# KiCad board shek-rounded.kicad_pcb (continued)
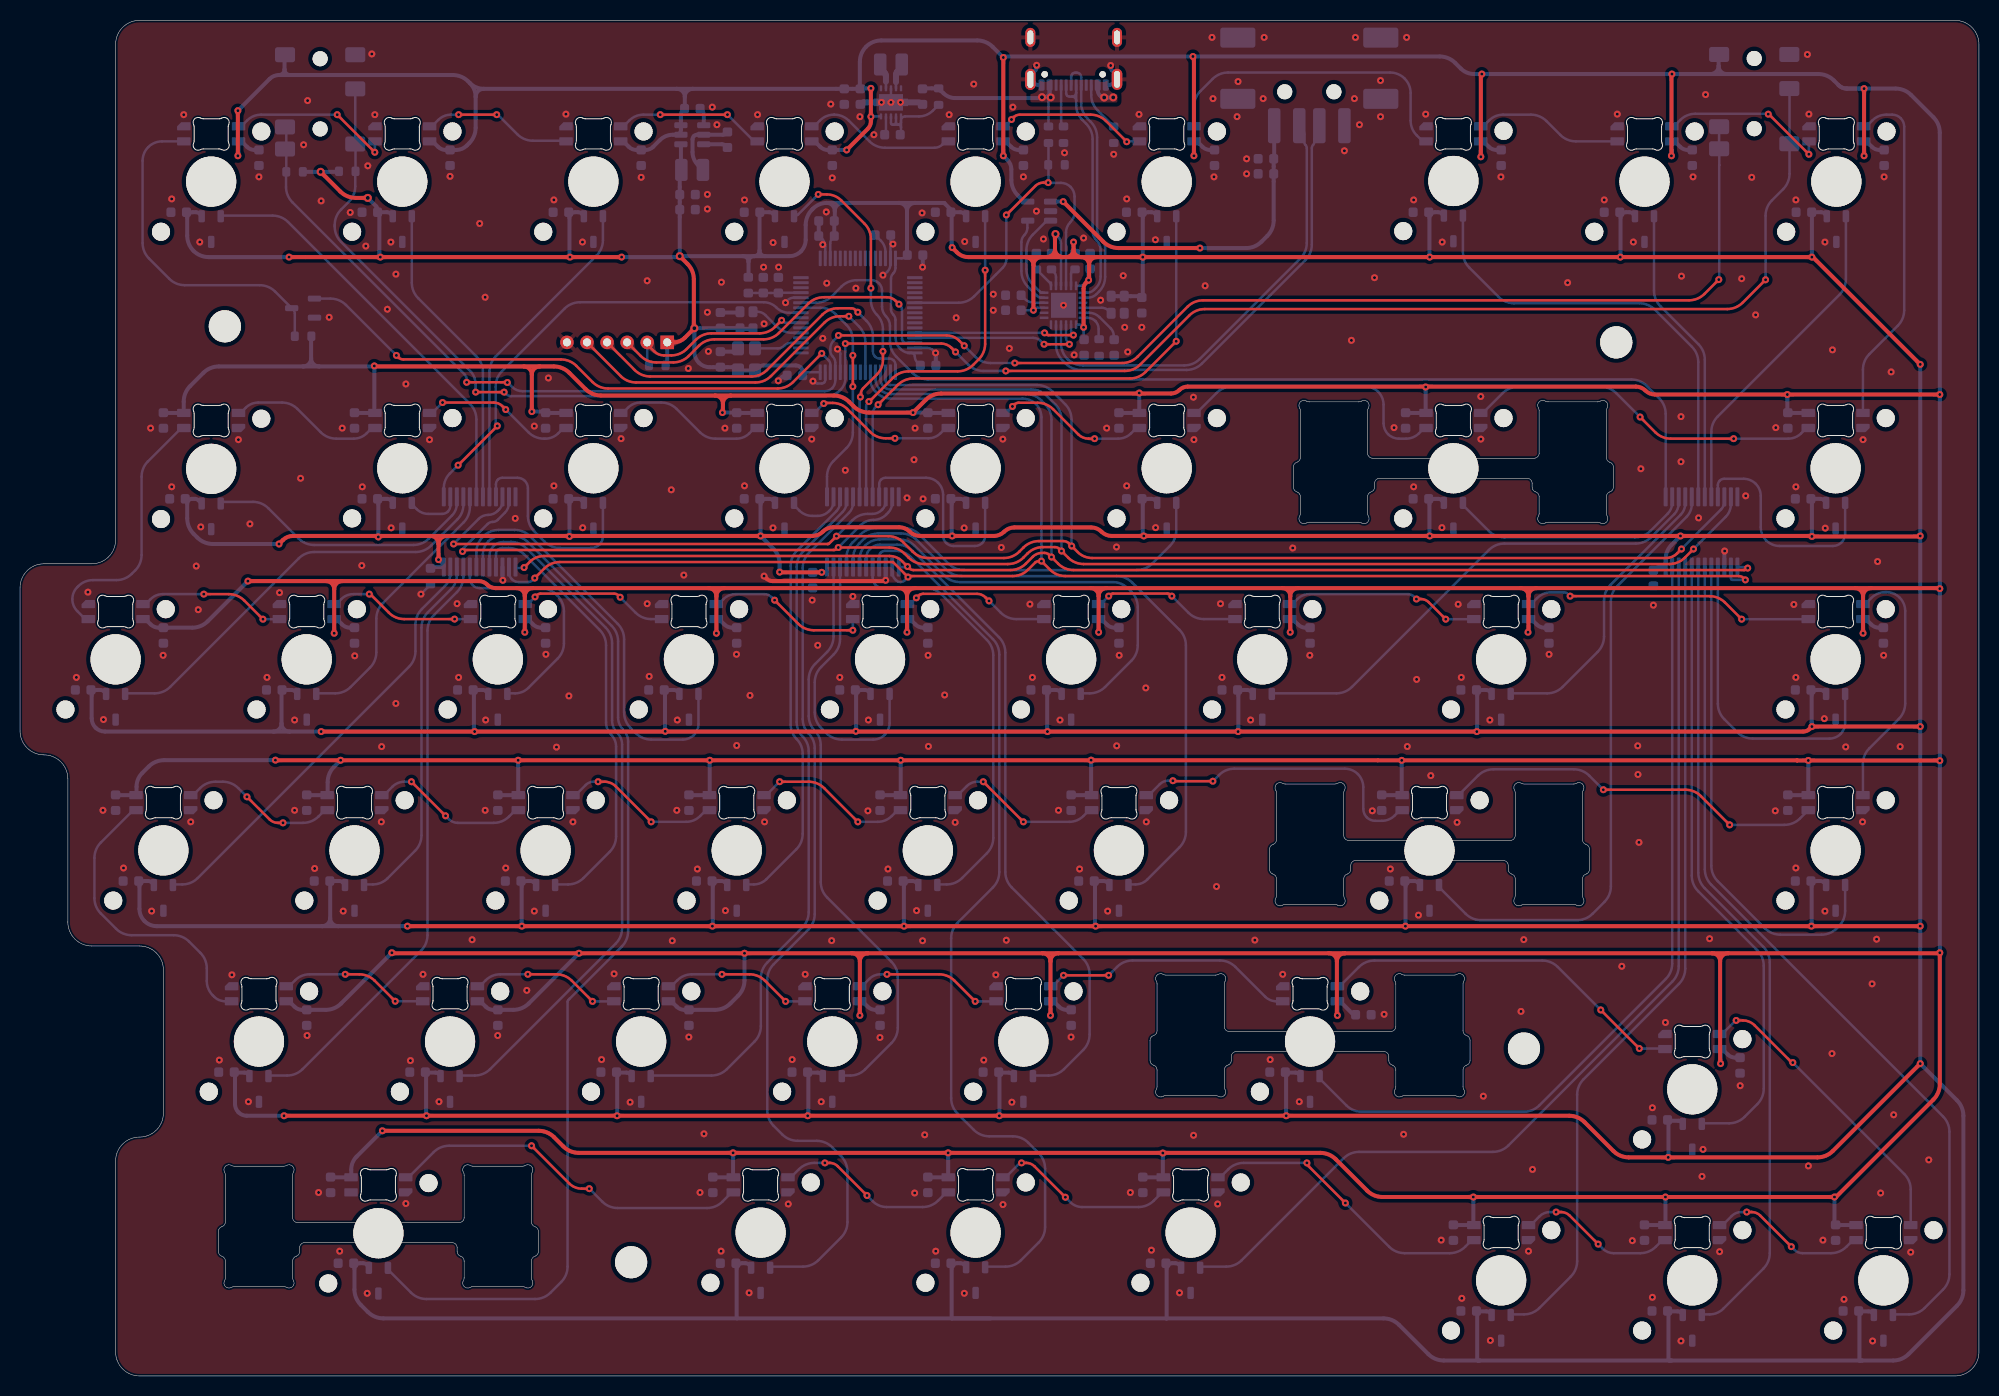
[diagram p0: board, top side]
## Routing (per net, layer and track width the routed paths; a pad name or vN(x,y) marks a point on that pad's centre or on a via; arc(x,y) is an arc through that point) (continued)
/VBUS2: length 35
  Top w0.4: v1(117.61,112.44) 109.51,112.44 arc(108.68,112.6) 107.97,113.08 v1(103.98,117.07)
  Bottom w0.4: v1(103.98,117.07) U2.1 ; v1(117.61,112.44) 122.21,112.44 arc(123.04,112.6) 123.75,113.08 124.32,113.65 arc(124.8,114.36) 124.96,115.19 124.96,121.3 arc(124.97,121.33) 124.99,121.36 arc(125.01,121.39) 125.01,121.42 J2.1
GND: length 58.1
  Top w0.4: v1(74.16,79.74) 74.41,79.49 arc(74.69,79.3) 75.02,79.24 86.15,79.24 arc(86.2,79.25) 86.24,79.28 v1(86.28,79.32)
  Bottom w0.25: U5.18 80.26,112.61 arc(80.18,113.01) 79.96,113.34 79.67,113.63 arc(79.66,113.64) 79.65,113.64 ; C12.2 86.25,123.8 arc(86.3,123.87) 86.31,123.96 U3.9 ; v1(86.01,109.74) 86.06,109.74 arc(86.11,109.75) 86.15,109.77 86.44,110.06 arc(86.68,110.42) 86.76,110.85 86.76,113.69 ; U5.63 80.26,99.28 arc(80.24,99.15) 80.16,99.04 arc(80.05,98.96) 79.92,98.94 79.49,98.94 arc(79.33,98.97) 79.19,99.06 79.06,99.19 arc(79.06,99.19) 79.06,99.19 arc(79.06,99.19) 79.06,99.19 v1(79.04,99.17) ; U3.3 86.81,127.54 ; C29.2 40.91,78.93 arc(40.91,78.89) 40.89,78.86 v1(39.96,77.94) ; v1(91.26,101.99) 91.01,102.24 arc(90.74,102.42) 90.41,102.49 U5.47 ; v1(76.3,107) 76.3,107.01 arc(76.31,107.03) 76.31,107.04 76.53,107.26 arc(76.79,107.43) 77.09,107.49 U5.12 ; v1(81.48,102.37) 81.62,102.23 arc(81.73,102.07) 81.76,101.89 U5.60
  Bottom w0.4: J1.A1_B12 101.55,128.69 arc(101.3,128.74) 101.08,128.88 100.85,129.12 arc(100.74,129.27) 100.71,129.46 arc(100.74,129.64) 100.85,129.8 101.2,130.16 arc(101.3,130.3) 101.34,130.47 v1(101.34,130.66) ; v1(91.26,101.99) 91.27,101.98 arc(91.28,101.96) 91.29,101.94 C20.2 ; v1(89.96,110.54) 89.98,110.55 arc(89.98,110.56) 89.99,110.58 C17.2 ; v1(75.58,99.21) 75.96,99.59 arc(76.13,99.7) 76.33,99.74 76.54,99.74 ; 83.86,126.86 C11.2 ; v1(108.72,130.64) 108.72,130.46 arc(108.75,130.3) 108.84,130.16 109.2,129.8 arc(109.31,129.64) 109.35,129.46 arc(109.31,129.27) 109.2,129.12 108.97,128.88 arc(108.75,128.74) 108.5,128.69 J1.B1_A12 ; U6.15 169.89,82.19 arc(169.89,82.21) 169.9,82.23 v1(169.91,82.24) ; C16.2 67.97,126.16 arc(68.1,125.96) 68.15,125.72 U4.4 ; C24.1 71.63,106.01 arc(71.68,106.02) 71.72,106.05 Y2.2 ; C9.2 89.86,126.86 arc(89.75,126.94) 89.62,126.96 ; U8.15 48.09,79.38 arc(48.09,79.35) 48.11,79.34 v1(48.12,79.32) ; Y3.2 71.4,102.28 arc(71.22,102.15) 71.01,102.11 C26.1 ; 79.65,113.64 79.64,113.64 ; v1(86.28,79.32) 86.28,80.55 arc(86.28,80.56) 86.28,80.56 arc(86.29,80.56) 86.29,80.57 U7.15 ; C18.2 C21.2 ; C25.2 86.77,113.73 arc(86.77,113.71) 86.76,113.69
  Bottom w0.6: 89.62,126.96 v1(87.76,126.96) ; v1(86.81,126.96) 84.1,126.96 arc(83.97,126.94) 83.86,126.86
  vias: v1(5.61,69.64) v1(6.76,78.14) v1(8.26,56.39) v1(8.31,65.44) v1(10.31,50.64) v1(13.01,94.49) v1(13.11,46.34) v1(14.26,71.84) v1(15.11,117.34) v1(15.11,88.64) v1(16.31,125.74) v1(17.01,55.24) v1(17.56,80.74) v1(17.76,76.39) v1(17.91,113.04) v1(18.01,84.64) v1(19.86,31.49) v1(21.11,39.99) v1(21.76,93.34) v1(22.76,27.34) v1(22.91,84.94) v1(23.81,119.54) v1(24.61,69.64) v1(25.86,78.09) v1(27.36,65.39) v1(27.36,56.39) v1(27.96,89.49) v1(28.26,122.74) v1(28.66,127.14) v1(28.61,33.94) v1(29.36,50.59) v1(29.76,18.29) v1(30.01,117.14) v1(30.81,105.54) v1(31.86,12.44) v1(32.11,94.49) v1(32.21,46.34) v1(32.91,115.99) v1(33.36,71.79) v1(34.06,80.79) v1(34.11,88.64) v1(34.46,112.64) v1(34.66,120.64) v1(34.61,8.24) v1(35.06,131.79) v1(35.36,125.74) v1(36.04,62.74) v1(36.01,55.24) v1(36.61,106.34) v1(36.96,113.04) v1(36.99,84.55) v1(37.46,109.84) v1(37.46,67.04) v1(38.46,98.89) v1(38.46,17.19) v1(38.91,31.44) v1(40.16,40.04) v1(40.81,93.34) v1(41.76,27.34) v1(42.86,119.59) v1(43.56,76.99) v1(43.71,69.64) v1(45.06,43.49) v1(45.81,114.89) v1(46.36,107.54) v1(46.36,56.39) v1(46.41,65.39) v1(47.61,33.94) v1(48.41,50.64) v1(49.36,85.49) v1(50.51,38.44) v1(51.26,94.69) v1(51.26,46.34) v1(52.41,71.94) v1(52.66,99.49) v1(53.21,117.24) v1(53.21,88.74) v1(53.47,62.69) v1(54.41,125.79) v1(54.71,67.79) v1(55.11,55.24) v1(56.06,113.04) v1(56.08,84.56) v1(57.96,31.54) v1(59.21,40.09) v1(59.91,93.44) v1(60.81,27.29) v1(61.91,119.49) v1(62.51,109.18) v1(62.51,76.99) v1(62.71,69.74) v1(64.91,88.34) v1(65.01,43.39) v1(65.46,56.39) v1(65.51,65.39) v1(66.16,79.84) v1(66.61,100.44) v1(66.66,33.79) v1(67.51,50.54) v1(67.77,18.29) v1(68.17,24.14) v1(68.51,117.79) v1(68.51,116.34) v1(68.51,106.04) v1(68.61,102.14) v1(69,126.49) v1(69.46,124.74) v1(69.91,109.04) v1(69.88,12.44) v1(70.26,94.49) v1(70.31,46.39) v1(71.41,71.94) v1(71.43,62.85) v1(72.21,117.24) v1(72.21,88.74) v1(72.76,67.84) v1(72.67,8.29) v1(73.51,125.74) v1(74.11,110.54) v1(74.16,104.89) v1(74.21,55.24) v1(75.06,112.99) v1(75.05,84.55) v1(75.61,110.54) v1(76.58,17.14) v1(76.96,31.54) v1(78.26,40.04) v1(78.91,93.39) v1(78.96,77.34) v1(79.51,72.84) v1(79.86,27.34) v1(80.01,112.79) v1(80.01,103.44) v1(80.36,116.04) v1(80.41,108.94) v1(80.81,126.79) v1(80.96,119.44) v1(80.9,43.4) v1(81.71,69.64) v1(82.26,90.29) v1(83.01,77.71) v1(83.31,108.44) v1(83.71,125.54) v1(84.56,65.39) v1(84.51,56.34) v1(85.11,123.74) v1(85.71,33.74) v1(85.86,126.96) v1(86.51,50.54) v1(87.01,112.84) v1(88.41,87.54) v1(89.11,91.34) v1(89.21,94.49) v1(89.17,18.24) v1(89.36,46.39) v1(89.91,115.94) v1(89.96,43.39) v1(90.01,87.44) v1(90.17,24.04) v1(90.51,71.84) v1(90.54,62.76) v1(91.27,12.44) v1(92.16,67.89) v1(92.61,125.74) v1(93.21,55.19) v1(93.31,105.49) v1(94.16,113.09) v1(94.11,84.54) v1(94.12,8.24) v1(95.06,128.79) v1(96.06,31.49) v1(97.01,107.84) v1(97.01,106.24) v1(97.26,39.99) v1(97.81,82.59) v1(97.96,93.39) v1(97.98,17.09) v1(98.31,43.44) v1(98.61,102.44) v1(98.86,27.29) v1(98.96,126.49) v1(100.01,119.54) v1(100.66,76.94) v1(100.91,69.64) v1(101.31,116.12) v1(102.01,113.34) v1(103.51,56.39) v1(103.66,65.39) v1(104.01,106.74) v1(104.11,121.94) v1(104.76,33.79) v1(105.07,101.79) v1(105.61,50.54) v1(106.01,113.44) v1(107.71,107.24) v1(108.31,94.49) v1(108.41,46.34) v1(109.01,121.79) v1(109.29,82.64) v1(109.31,62.82) v1(109.56,71.84) v1(109.96,109.69) v1(110.11,104.54) v1(110.31,117.34) v1(110.31,88.74) v1(110.41,102.09) v1(110.67,18.29) v1(111.54,125.77) v1(111.81,104.54) v1(112.21,68.59) v1(112.26,55.24) v1(112.77,12.54) v1(113.17,113.27) v1(113.19,84.57) v1(115.58,8.29) v1(116.96,97.57) v1(117.01,93.34) v1(116.98,23.99) v1(118.13,108.68) v1(118.81,133.44) v1(118.91,127.34) v1(119.01,119.54) v1(119.26,48.79) v1(119.37,17.14) v1(119.66,76.99) v1(119.81,69.64) v1(121.31,125.54) v1(121.41,129.04) v1(122.26,121.34) v1(122.26,119.84) v1(122.66,65.39) v1(123.08,43.45) v1(123.91,127.34) v1(124.01,133.44) v1(124.61,31.54) v1(125.86,40.04) v1(126.86,82.54) v1(127.51,27.34) v1(128.56,71.84) v1(132.01,122.14) v1(132.71,103.24) v1(133.01,127.34) v1(133.11,133.44) v1(133.51,124.74) v1(134.79,56.34) v1(135.01,109.49) v1(135.61,129.14) v1(135.61,125.54) v1(135.97,36.05) v1(136.59,50.54) v1(136.96,94.54) v1(137.91,24.09) v1(138.21,133.44) v1(138.28,62.75) v1(138.91,117.24) v1(138.91,88.64) v1(139.21,69.44) v1(139.39,45.94) v1(140.11,125.79) v1(140.62,59.85) v1(141.66,13.54) v1(141.76,113.04) v1(141.73,84.57) v1(143.24,55.19) v1(143.35,76.93) v1(143.66,69.64) v1(143.71,7.74) v1(145.6,97.64) v1(145.61,93.39) v1(145.86,27.89) v1(146.51,65.39) v1(146.56,3.54) v1(147.61,119.54) v1(149.61,36.34) v1(149.89,43.5) v1(150.36,12.44) v1(150.76,20.59) v1(152.41,71.94) v1(154.26,108.99) v1(157.91,117.24) v1(159.21,125.79) v1(159.66,40.84) v1(160.71,13.49) v1(160.81,113.04) v1(161.25,62.82) v1(161.27,59.96) v1(161.37,53.19) v1(161.56,90.44) v1(162.71,26.74) v1(162.71,7.84) v1(162.81,76.84) v1(164.01,35.24) v1(165.56,95.64) v1(165.56,91.14) v1(165.56,3.49) v1(165.61,109.64) v1(166.76,119.54) v1(167.31,85.54) v1(167.66,19.89) v1(167.76,22.59) v1(168.01,127.74) v1(168.41,43.59) v1(169.41,12.39) v1(171.46,28.94) v1(171.61,109.39) v1(172.01,87.74) v1(172.61,119.49) v1(173,105.78) v1(174.96,56.34) v1(175.01,94.54) v1(176.81,76.91) v1(177.01,117.24) v1(177.01,88.64) v1(177.01,69.64) v1(177.01,50.64) v1(178.16,131.74) v1(178.26,20.94) v1(178.31,125.79) v1(179.71,13.54) v1(179.85,65.53) v1(179.91,113.04) v1(179.94,84.52) v1(179.91,46.34) v1(180.66,102.29) v1(180.61,32.14) v1(181.81,7.64) v1(181.98,62.71) v1(183.66,55.24) v1(183.71,93.34) v1(184.61,39.09) v1(184.66,3.49) v1(185.06,43.54) v1(185.16,81.19) v1(185.46,18.24) v1(185.76,71.84) v1(185.81,119.54) v1(186.51,100.09) v1(186.76,26.04) v1(187.41,62.74) v1(188.46,12.34) v1(190.26,21.54)
VBUS: length 20.1
  Bottom w0.25: 102.34,127.46 102.35,127.45 ; 102.34,127.46 arc(102.33,127.48) 102.34,127.49 ; 102.34,127.46 arc(102.34,127.47) 102.34,127.48 102.41,127.48 arc(102.43,127.47) 102.44,127.47 arc(102.45,127.46) 102.46,127.46 v2(102.74,127.46) 102.62,127.35 arc(102.54,127.22) 102.51,127.08 102.51,124.66 102.51,124.76
  Bottom w0.4: J1.A4_B9 102.63,127.99 arc(102.59,127.79) 102.48,127.63 102.34,127.49 arc(102.34,127.48) 102.34,127.48 ; J1.B4_A9 107.43,128.16 arc(107.48,127.89) 107.64,127.66 107.77,127.53 arc(107.85,127.47) 107.96,127.45 v2(108.07,127.45) 108.95,127.45 arc(108.95,127.45) 108.96,127.45 v2(108.97,127.46) ; 101.56,127.39 93.22,127.39 arc(92.58,127.52) 92.04,127.88 arc(91.51,128.24) 90.87,128.36 90.04,128.36 arc(90.01,128.36) 89.98,128.34 arc(89.96,128.33) 89.93,128.34 89.91,128.36 ; v2(102.74,127.46) 102.73,127.47 arc(102.71,127.47) 102.7,127.48 v2(101.87,127.48)
VBUS2_EN: length 9
  Bottom w0.25: U2.4 100.43,115.15 arc(100.42,115.13) 100.41,115.11 100.41,114.46 arc(100.33,114.07) 100.11,113.74 arc(99.89,113.41) 99.81,113.01 99.81,110.14 arc(99.98,109.31) 100.45,108.6 101.38,107.67 arc(101.58,107.53) 101.82,107.49 U1.11
VBUS_DET: length 37.6
  Top w0.25: v1(98.31,115.74) 101.2,118.63 arc(101.57,118.88) 102.01,118.96 v1(102.49,118.96)
  Bottom w0.25: 102.51,123.11 102.51,119.01 arc(102.51,118.99) 102.5,118.98 v1(102.49,118.96) 102.5,118.95 arc(102.51,118.94) 102.53,118.94 103.75,118.94 arc(104.27,118.83) 104.71,118.54 arc(105.01,118.09) 105.11,117.57 105.11,116.04 arc(105,115.48) 104.69,115.01 arc(104.37,114.54) 104.26,113.99 U1.16 ; U5.38 93.56,106.99 arc(94.39,107.15) 95.1,107.63 97.96,110.49 arc(98.22,110.88) 98.31,111.33 v1(98.31,115.74)
DN1_D+: length 17.7
  Top w0.25: v1(104.6,102.85) 104.6,102.87 arc(104.6,102.88) 104.58,102.88 104.58,102.87 arc(104.55,102.85) 104.52,102.85 v1(102.07,102.85)
  Bottom w0.25: v1(102.07,102.85) 101.75,103.17 arc(101.4,103.4) 100.98,103.49 U5.45 ; v1(104.6,102.85) 104.6,102.87 arc(104.6,102.9) 104.58,102.92 104.43,103.07 arc(104.31,103.26) 104.26,103.48 U1.3
DN1_D-: length 17
  Top w0.25: v1(105,103.76) 102.52,103.76 arc(102.36,103.79) 102.24,103.87 v1(102.12,103.99)
  Bottom w0.25: v1(105,103.76) 105,103.76 arc(104.99,103.76) 104.99,103.76 104.88,103.87 arc(104.79,104) 104.76,104.15 U1.2 ; v1(102.12,103.99) U5.44
DN2_D+: length 46.5
  Bottom w0.25: J2.3 129.51,124.36 arc(129.46,124.11) 129.32,123.89 129.26,123.84 arc(129.08,123.56) 129.01,123.23 129.01,123.01 arc(128.98,122.85) 128.89,122.71 arc(128.79,122.57) 128.76,122.41 128.76,112.78 arc(128.6,111.95) 128.12,111.24 117.81,100.93 arc(117.1,100.45) 116.27,100.29 105.76,100.29 arc(104.93,100.45) 104.22,100.93 103.9,101.25 arc(103.43,101.96) 103.26,102.79 U1.5
DN2_D-: length 44.9
  Bottom w0.25: U1.4 103.76,102.93 arc(103.93,102.09) 104.4,101.39 104.41,101.38 arc(105.12,100.9) 105.95,100.74 116.05,100.74 arc(116.88,100.9) 117.59,101.38 127.62,111.41 arc(128.1,112.12) 128.26,112.95 128.26,122.41 arc(128.23,122.57) 128.14,122.71 arc(128.04,122.85) 128.01,123.01 128.01,123.78 arc(127.95,124.11) 127.76,124.39 J2.2
LED_D: length 34.1
  Bottom w0.25: R13.1 27.39,105.92 arc(27.35,106.12) 27.23,106.29 25.43,108.1 arc(24.72,108.57) 23.89,108.74 16.41,108.74 arc(15.58,108.9) 14.87,109.38 12.85,111.4 arc(12.38,112.11) 12.21,112.94 12.21,121.13 arc(12.36,121.88) 12.78,122.51 arc(13.41,122.93) 14.15,123.08 LED1.3
MUX0_A0: length 23.2
  Bottom w0.25: U6.9 169.24,88.8 arc(169.29,89.04) 169.43,89.25 arc(169.63,89.39) 169.88,89.44 171.81,89.44 arc(172.46,89.31) 173.01,88.94 arc(173.38,88.38) 173.51,87.73 173.51,84.62 arc(173.66,83.9) 174.06,83.29 arc(174.67,82.88) 175.39,82.74 180.71,82.74 arc(181.17,82.83) 181.57,83.09 arc(181.83,83.49) 181.93,83.95 181.93,87.1
MUX0_A1: length 33.4
  Bottom w0.25: 182,115.67 182,109.33 arc(181.83,108.49) 181.36,107.79 169.23,95.65 arc(168.75,94.94) 168.59,94.11 U6.8
MUX0_A2: length 29.9
  Bottom w0.25: U6.7 167.94,101.31 arc(167.77,102.14) 167.3,102.85 163.51,106.64 arc(163.04,107.34) 162.88,108.18 162.88,115.67
MUX0_A3: length 45.8
  Bottom w0.25: 143.82,115.67 143.82,112.03 arc(143.99,111.19) 144.46,110.49 147.37,107.58 arc(148.08,107.1) 148.91,106.94 161.41,106.94 arc(162.24,106.77) 162.95,106.3 166.65,102.6 arc(167.12,101.89) 167.29,101.06 U6.6
MUX0_A4: length 62.4
  Bottom w0.25: U6.5 166.64,86.9 arc(166.5,86.22) 166.12,85.64 159.21,78.74 arc(158.74,78.03) 158.57,77.2 158.57,48.8 arc(158.41,47.97) 157.93,47.26 156.75,46.08 arc(156.04,45.6) 155.21,45.44 145.64,45.44 arc(144.8,45.6) 144.1,46.08 141.54,48.63 arc(141.47,48.74) 141.44,48.86 141.44,49
MUX0_A5: length 29.1
  Bottom w0.25: U6.4 165.99,86.98 arc(165.87,86.36) 165.52,85.84 158.53,78.86 arc(158.06,78.15) 157.89,77.32 157.89,73.72 arc(157.73,72.89) 157.25,72.18 153.76,68.69 arc(153.05,68.21) 152.22,68.05 148.59,68.05
MUX0_A6: length 49.1
  Bottom w0.25: 124.77,68.05 131.22,68.05 arc(132.05,68.21) 132.76,68.69 146.41,82.34 arc(147.12,82.81) 147.95,82.98 161.05,82.98 arc(161.88,83.14) 162.59,83.62 164.89,85.91 arc(165.22,86.41) 165.34,87 U6.3
MUX0_A7: length 24.6
  Bottom w0.25: 143.82,87.1 143.82,86.96 arc(143.85,86.83) 143.92,86.72 146.4,84.24 arc(147.11,83.76) 147.94,83.6 160.97,83.6 arc(161.8,83.76) 162.51,84.24 164.25,85.98 arc(164.57,86.46) 164.69,87.03 U6.2
MUX0_A8: length 82.7
  Bottom w0.25: U6.23 164.69,41.11 arc(164.52,40.28) 164.05,39.57 151.45,26.98 arc(150.74,26.5) 149.91,26.34 133.74,26.34 arc(132.91,26.5) 132.2,26.98 129.65,29.53 arc(129.57,29.65) 129.54,29.8 129.54,29.95
MUX0_A9: length 100.1
  Bottom w0.25: 117.63,10.9 120.23,10.9 arc(121.07,11.06) 121.77,11.54 131.94,21.7 arc(132.64,22.17) 133.48,22.34 146.82,22.34 arc(147.66,22.5) 148.36,22.98 164.7,39.31 arc(165.17,40.02) 165.34,40.85 U6.22
MUX0_A10: length 82.6
  Bottom w0.25: 148.59,6.14 149.91,6.14 arc(150.74,6.3) 151.45,6.77 154.57,9.9 arc(155.05,10.61) 155.21,11.44 155.21,28.04 arc(155.38,28.87) 155.85,29.58 165.35,39.07 arc(165.82,39.78) 165.99,40.61 U6.21
MUX0_A11: length 62.7
  Bottom w0.25: 167.64,25.19 170.36,25.19 arc(171.19,25.35) 171.9,25.82 173.17,27.1 arc(173.65,27.81) 173.81,28.64 173.81,40.89 arc(173.65,41.72) 173.17,42.43 167.28,48.32 arc(166.8,49.03) 166.64,49.86 U6.20
MUX0_A12: length 80.8
  Bottom w0.25: 167.64,6.14 168.42,6.14 arc(169.15,6.28) 169.77,6.69 173.77,10.7 arc(174.25,11.41) 174.41,12.24 174.41,41.24 arc(174.25,42.07) 173.77,42.78 167.93,48.62 arc(167.45,49.33) 167.29,50.16 U6.19
MUX0_A13: length 88
  Bottom w0.25: U6.18 167.94,50.51 arc(168.1,49.68) 168.58,48.97 191.68,25.87 arc(192.16,25.16) 192.32,24.33 192.32,10.15 arc(192.16,9.32) 191.68,8.61 189.85,6.77 arc(189.14,6.3) 188.31,6.14 186.69,6.14
MUX0_A14: length 50.3
  Bottom w0.25: 181.93,49 181.93,46.35 arc(181.76,45.52) 181.29,44.81 181.1,44.63 arc(180.39,44.15) 179.56,43.99 175.46,43.99 arc(174.63,44.15) 173.92,44.63 169.23,49.32 arc(168.75,50.03) 168.59,50.86 U6.17
MUX0_A15: length 31.9
  Bottom w0.25: 181.93,68.05 181.93,65.1 arc(181.81,64.5) 181.47,63.99 arc(180.96,63.66) 180.37,63.54 172.71,63.54 arc(171.88,63.7) 171.17,64.18 169.88,65.47 arc(169.4,66.18) 169.24,67.01 U6.16
MUX0_COM: length 104
  Bottom w0.25: 77.84,106.96 77.85,106.98 arc(77.86,106.98) 77.88,106.99 79.36,106.99 arc(80.19,107.15) 80.9,107.63 81.87,108.6 arc(82.58,109.07) 83.41,109.24 84.88,109.24 arc(85.28,109.16) 85.62,108.93 arc(85.84,108.59) 85.92,108.2 85.92,106.59 arc(86.03,106.07) 86.32,105.63 arc(86.61,105.19) 86.71,104.68 86.71,103.14 arc(86.88,102.31) 87.35,101.6 88.97,99.98 arc(89.68,99.5) 90.51,99.34 160.61,99.34 arc(161.44,99.17) 162.15,98.7 163.4,97.45 arc(163.87,96.74) 164.04,95.91 U6.1
MUX1_A0: length 21.7
  Bottom w0.25: 96.2,87.1 96.2,83.74 arc(96.12,83.36) 95.91,83.03 arc(95.58,82.81) 95.2,82.74 93.04,82.74 arc(92.64,82.82) 92.31,83.04 arc(92.09,83.37) 92.01,83.76 92.01,87.83 arc(91.88,88.48) 91.51,89.04 arc(90.96,89.41) 90.31,89.54 86.28,89.54 arc(86.03,89.49) 85.83,89.35 arc(85.69,89.14) 85.64,88.9 U7.9
MUX1_A1: length 54
  Top w0.25: v1(85.53,96.82) 87.5,98.8 arc(88.21,99.27) 89.04,99.44 110.64,99.44 arc(111.47,99.6) 112.18,100.08 v1(115.25,103.15)
  Bottom w0.25: v1(115.25,103.15) 115.25,115.67 ; v1(85.53,96.82) 85.26,96.55 arc(85.06,96.25) 84.99,95.9 U7.8
MUX1_A2: length 36.6
  Top w0.25: v1(96.2,110.24) 96.2,102.89 arc(96.03,102.05) 95.56,101.35 95,100.79 arc(94.29,100.31) 93.46,100.15 88.56,100.15 arc(87.73,99.98) 87.02,99.51 84.67,97.15 arc(84.65,97.14) 84.63,97.14 v1(84.61,97.14)
  Bottom w0.25: v1(96.2,110.24) 96.2,115.67 ; v1(84.61,97.14) 84.47,97 arc(84.37,96.85) 84.34,96.67 U7.7
MUX1_A3: length 37.6
  Top w0.25: v1(84.81,108.44) 84.81,113.34 arc(84.65,114.17) 84.17,114.88 81.86,117.19 arc(81.2,117.63) 80.41,117.79 v1(79.56,117.79) ; v1(83.76,97.59) 83.79,97.62 arc(83.81,97.65) 83.82,97.69 83.82,97.95 arc(83.88,98.22) 84.03,98.46 85.41,99.84 arc(85.86,100.5) 86.01,101.29 v1(86.01,102.14)
  Bottom w0.25: v1(84.81,108.44) 84.81,107.24 arc(84.97,106.45) 85.41,105.79 arc(85.86,105.12) 86.01,104.34 v1(86.01,102.14) ; v1(79.56,117.79) 77.55,115.78 arc(77.44,115.7) 77.3,115.67 77.15,115.67 ; U7.6 83.69,97.3 arc(83.7,97.35) 83.72,97.39 arc(83.75,97.43) 83.76,97.48 v1(83.76,97.59)
MUX1_A4: length 91.3
  Bottom w0.25: 74.77,10.9 78.03,10.9 arc(78.87,11.06) 79.57,11.54 81.84,13.8 arc(82.31,14.51) 82.47,15.34 82.47,20.37 arc(82.31,21.21) 81.84,21.91 80.95,22.8 arc(80.24,23.27) 79.41,23.44 77.51,23.44 arc(76.68,23.6) 75.97,24.08 75.12,24.93 arc(74.65,25.64) 74.48,26.47 74.48,39.51 arc(74.65,40.34) 75.12,41.05 78.57,44.5 arc(79.05,45.21) 79.21,46.04 79.21,62.59 arc(79.06,63.37) 78.61,64.04 arc(78.17,64.7) 78.01,65.49 78.01,80.53 arc(78.18,81.36) 78.65,82.07 82.62,86.03 arc(82.93,86.5) 83.04,87.05 U7.5
MUX1_A5: length 70.1
  Bottom w0.25: U7.4 82.39,87.08 arc(82.29,86.56) 81.99,86.13 78.05,82.19 arc(77.58,81.48) 77.41,80.65 77.41,65.19 arc(77.57,64.4) 78.01,63.74 arc(78.46,63.07) 78.61,62.29 78.61,46.24 arc(78.45,45.41) 77.97,44.7 74.48,41.21 arc(74.01,40.5) 73.84,39.67 73.84,34.87 arc(73.68,34.04) 73.2,33.33 70.46,30.59 arc(69.75,30.11) 68.92,29.95 62.86,29.95
MUX1_A6: length 43.9
  Bottom w0.25: 72.39,49 73.13,49 arc(73.82,49.13) 74.4,49.52 77.37,52.5 arc(77.85,53.21) 78.01,54.04 78.01,62.04 arc(77.86,62.82) 77.41,63.49 arc(76.97,64.15) 76.81,64.94 76.81,80.75 arc(76.98,81.58) 77.45,82.29 81.36,86.2 arc(81.64,86.61) 81.74,87.11 U7.3
MUX1_A7: length 5.8
  Bottom w0.25: 77.15,87.1 77.15,86.95 arc(77.18,86.81) 77.26,86.69 77.68,86.27 arc(78.27,85.88) 78.96,85.74 79.51,85.74 arc(80.11,85.86) 80.62,86.2 80.74,86.32 arc(81,86.7) 81.09,87.15 U7.2
MUX1_A8: length 58
  Bottom w0.25: 81.91,29.95 82.77,29.95 arc(83.56,30.1) 84.23,30.55 86.85,33.18 arc(87.33,33.89) 87.49,34.72 87.49,39.76 arc(87.33,40.59) 86.85,41.3 80.45,47.7 arc(79.98,48.41) 79.81,49.24 79.81,62.89 arc(79.66,63.67) 79.21,64.34 arc(78.77,65) 78.61,65.79 78.61,69.44 arc(78.78,70.27) 79.25,70.98 80.45,72.17 arc(80.92,72.88) 81.09,73.71 U7.23
MUX1_A9: length 28.2
  Bottom w0.25: U7.22 81.74,73.46 arc(81.57,72.63) 81.1,71.92 79.85,70.68 arc(79.38,69.97) 79.21,69.14 79.21,66.14 arc(79.38,65.31) 79.85,64.6 80.37,64.08 arc(81.08,63.6) 81.91,63.44 85.03,63.44 arc(85.66,63.56) 86.19,63.92 arc(86.55,64.45) 86.67,65.08 86.67,68.05
MUX1_A10: length 41.7
  Bottom w0.25: 115.25,87.1 115.25,84.28 arc(115.08,83.44) 114.61,82.74 112.85,80.98 arc(112.14,80.5) 111.31,80.34 94.08,80.34 arc(93.25,80.5) 92.54,80.98 89.63,83.89 arc(88.92,84.36) 88.09,84.53 85.33,84.53 arc(84.5,84.36) 83.79,83.89 83.03,83.13 arc(82.55,82.42) 82.39,81.59 U7.21
MUX1_A11: length 67
  Bottom w0.25: 110.49,49 111.18,49 arc(111.82,49.12) 112.36,49.49 115.57,52.7 arc(116.05,53.41) 116.21,54.24 116.21,72.84 arc(116.05,73.67) 115.57,74.38 110.85,79.1 arc(110.14,79.57) 109.31,79.74 93.87,79.74 arc(93.04,79.9) 92.33,80.38 89.36,83.35 arc(88.65,83.82) 87.82,83.99 85.56,83.99 arc(84.73,83.82) 84.02,83.35 83.65,82.97 arc(83.2,82.3) 83.04,81.5 U7.20
MUX1_A12: length 44.4
  Bottom w0.25: U7.19 83.69,81.43 arc(83.83,82.15) 84.24,82.77 84.28,82.81 arc(84.94,83.24) 85.71,83.4 87.62,83.4 arc(88.45,83.23) 89.16,82.76 92.14,79.78 arc(92.85,79.3) 93.68,79.14 108.91,79.14 arc(109.74,78.97) 110.45,78.5 110.77,78.18 arc(111.25,77.47) 111.41,76.64 111.41,72.84 arc(111.25,72.01) 110.77,71.3 108.16,68.68 arc(107.45,68.21) 106.62,68.05 105.73,68.05
MUX1_A13: length 69.4
  Bottom w0.25: U7.18 84.34,81.49 arc(84.44,82.02) 84.74,82.47 arc(85.19,82.76) 85.71,82.87 87.45,82.87 arc(88.28,82.7) 88.99,82.23 97.57,73.65 arc(98.05,72.94) 98.21,72.11 98.21,50.24 arc(98.38,49.41) 98.85,48.7 105.97,41.58 arc(106.45,40.87) 106.61,40.04 106.61,34.04 arc(106.45,33.21) 105.97,32.5 104.06,30.59 arc(103.35,30.11) 102.52,29.95 100.96,29.95
MUX1_A14: length 42.8
  Bottom w0.25: U7.17 84.99,79.59 arc(85.07,79.19) 85.3,78.85 arc(85.64,78.62) 86.04,78.54 90.31,78.54 arc(91.14,78.37) 91.85,77.9 96.37,73.38 arc(96.85,72.67) 97.01,71.84 97.01,53.65 arc(96.85,52.81) 96.37,52.11 93.9,49.64 arc(93.2,49.16) 92.36,49 91.44,49
MUX1_A15: length 90.8
  Bottom w0.25: 85.56,80.56 85.6,80.6 arc(85.63,80.64) 85.64,80.69 85.64,81.69 arc(85.68,81.91) 85.8,82.09 arc(85.98,82.21) 86.19,82.25 87.28,82.25 arc(88.11,82.08) 88.82,81.61 96.97,73.46 arc(97.45,72.75) 97.61,71.92 97.61,50.24 arc(97.45,49.41) 96.97,48.7 93.45,45.18 arc(92.98,44.47) 92.81,43.64 92.81,27.69 arc(92.98,26.86) 93.45,26.15 95.07,24.53 arc(95.78,24.05) 96.61,23.89 98.96,23.89 arc(99.79,23.72) 100.5,23.25 101.54,22.21 arc(102.01,21.51) 102.17,20.67 102.17,14.84 arc(102.01,14.01) 101.54,13.3 99.77,11.54 arc(99.07,11.06) 98.23,10.9 96.2,10.9
MUX1_COM: length 23.3
  Top w0.25: v1(83.01,101.74) v1(83.01,98.63)
  Bottom w0.25: v1(83.01,101.74) 83.01,103.24 arc(82.85,104.07) 82.37,104.78 81.3,105.85 arc(80.59,106.32) 79.76,106.49 U5.10 ; U7.1 80.44,89.66 arc(80.6,90.49) 81.08,91.2 82.37,92.5 arc(82.85,93.21) 83.01,94.04 v1(83.01,98.63)
MUX2_A0: length 21.4
  Bottom w0.25: U8.9 47.44,88.9 arc(47.49,89.14) 47.62,89.35 arc(47.83,89.49) 48.08,89.54 49.58,89.54 arc(49.98,89.46) 50.32,89.23 arc(50.54,88.89) 50.62,88.5 50.62,85.73 arc(50.79,84.9) 51.26,84.19 52.27,83.18 arc(52.98,82.7) 53.81,82.54 56.93,82.54 arc(57.38,82.63) 57.76,82.88 arc(58.01,83.26) 58.1,83.71 58.1,87.1
MUX2_A1: length 32.5
  Bottom w0.25: 58.1,115.67 58.1,113.23 arc(57.93,112.39) 57.46,111.69 47.43,101.65 arc(46.95,100.94) 46.79,100.11 U8.8
MUX2_A2: length 30.8
  Bottom w0.25: 39.05,115.67 39.05,108.98 arc(39.22,108.14) 39.69,107.44 45.5,101.63 arc(45.97,100.92) 46.14,100.09 U8.7
MUX2_A3: length 42
  Bottom w0.25: 20,115.67 25.18,115.67 arc(26.01,115.51) 26.72,115.03 44.85,96.9 arc(45.32,96.19) 45.49,95.36 U8.6
MUX2_A4: length 27.2
  Bottom w0.25: U8.5 44.84,86.61 arc(44.67,85.78) 44.2,85.07 36.15,77.03 arc(35.68,76.32) 35.51,75.49 35.51,72.14 arc(35.35,71.31) 34.87,70.6 32.96,68.69 arc(32.25,68.21) 31.42,68.05 29.52,68.05
MUX2_A5: length 42.4
  Bottom w0.25: U8.4 44.19,86.81 arc(44.04,86.05) 43.6,85.4 40.98,82.78 arc(40.27,82.3) 39.44,82.14 29.31,82.14 arc(28.48,81.97) 27.77,81.5 14.96,68.69 arc(14.25,68.21) 13.42,68.05 10.48,68.05
MUX2_A6: length 27.8
  Bottom w0.25: U8.3 43.54,86.95 arc(43.41,86.31) 43.05,85.78 40.75,83.48 arc(40.04,83) 39.21,82.84 29.31,82.84 arc(28.48,83) 27.77,83.48 24.75,86.5 arc(24.04,86.97) 23.21,87.14 20.28,87.14 arc(20.17,87.12) 20.08,87.06 U18.2
MUX2_A7: length 5.7
  Bottom w0.25: 39.05,87.1 39.05,87 arc(39.07,86.91) 39.12,86.83 39.53,86.42 arc(40.06,86.06) 40.69,85.94 42.08,85.94 arc(42.39,86) 42.65,86.18 arc(42.83,86.44) 42.89,86.75 U8.2
MUX2_A8: length 43.8
  Bottom w0.25: U8.23 42.89,79.96 arc(42.76,79.34) 42.41,78.81 40.05,76.45 arc(39.58,75.74) 39.41,74.91 39.41,72.24 arc(39.25,71.41) 38.77,70.7 17.71,49.64 arc(17,49.16) 16.17,49 15.24,49
MUX2_A9: length 36.1
  Bottom w0.25: 34.29,49 35.16,49 arc(35.96,49.16) 36.64,49.61 39.37,52.35 arc(39.85,53.06) 40.01,53.89 40.01,74.59 arc(40.18,75.42) 40.65,76.13 42.96,78.44 arc(43.39,79.07) 43.54,79.83 U8.22
MUX2_A10: length 60
  Bottom w0.25: U8.21 44.19,79.68 arc(44.02,78.85) 43.55,78.14 41.25,75.84 arc(40.78,75.14) 40.61,74.3 40.61,43.94 arc(40.45,43.11) 39.97,42.4 28.16,30.59 arc(27.45,30.11) 26.62,29.95 24.76,29.95
MUX2_A11: length 23.6
  Bottom w0.25: U8.20 44.84,79.52 arc(44.91,79.14) 45.12,78.83 arc(45.44,78.61) 45.82,78.54 51.91,78.54 arc(52.74,78.37) 53.45,77.9 53.57,77.78 arc(54.05,77.07) 54.21,76.24 54.21,73.04 arc(54.05,72.21) 53.57,71.5 50.67,68.59 arc(50.06,68.19) 49.35,68.05 48.58,68.05
MUX2_A12: length 42.4
  Bottom w0.25: U8.19 45.49,82.11 arc(45.65,82.94) 46.13,83.65 46.17,83.7 arc(46.88,84.17) 47.71,84.34 49.31,84.34 arc(50.14,84.17) 50.85,83.7 59.57,74.98 arc(60.05,74.27) 60.21,73.44 60.21,66.14 arc(60.38,65.31) 60.85,64.6 61.37,64.08 arc(62.08,63.6) 62.91,63.44 66.07,63.44 arc(66.66,63.56) 67.17,63.89 arc(67.51,64.4) 67.62,65 67.62,68.05